# Altium PCB RK_NVR_DEMO1_RK3588_LP4XD200P232SD8_V21_20211228_final_lint.PcbDoc (part 24 of 29) (continued)
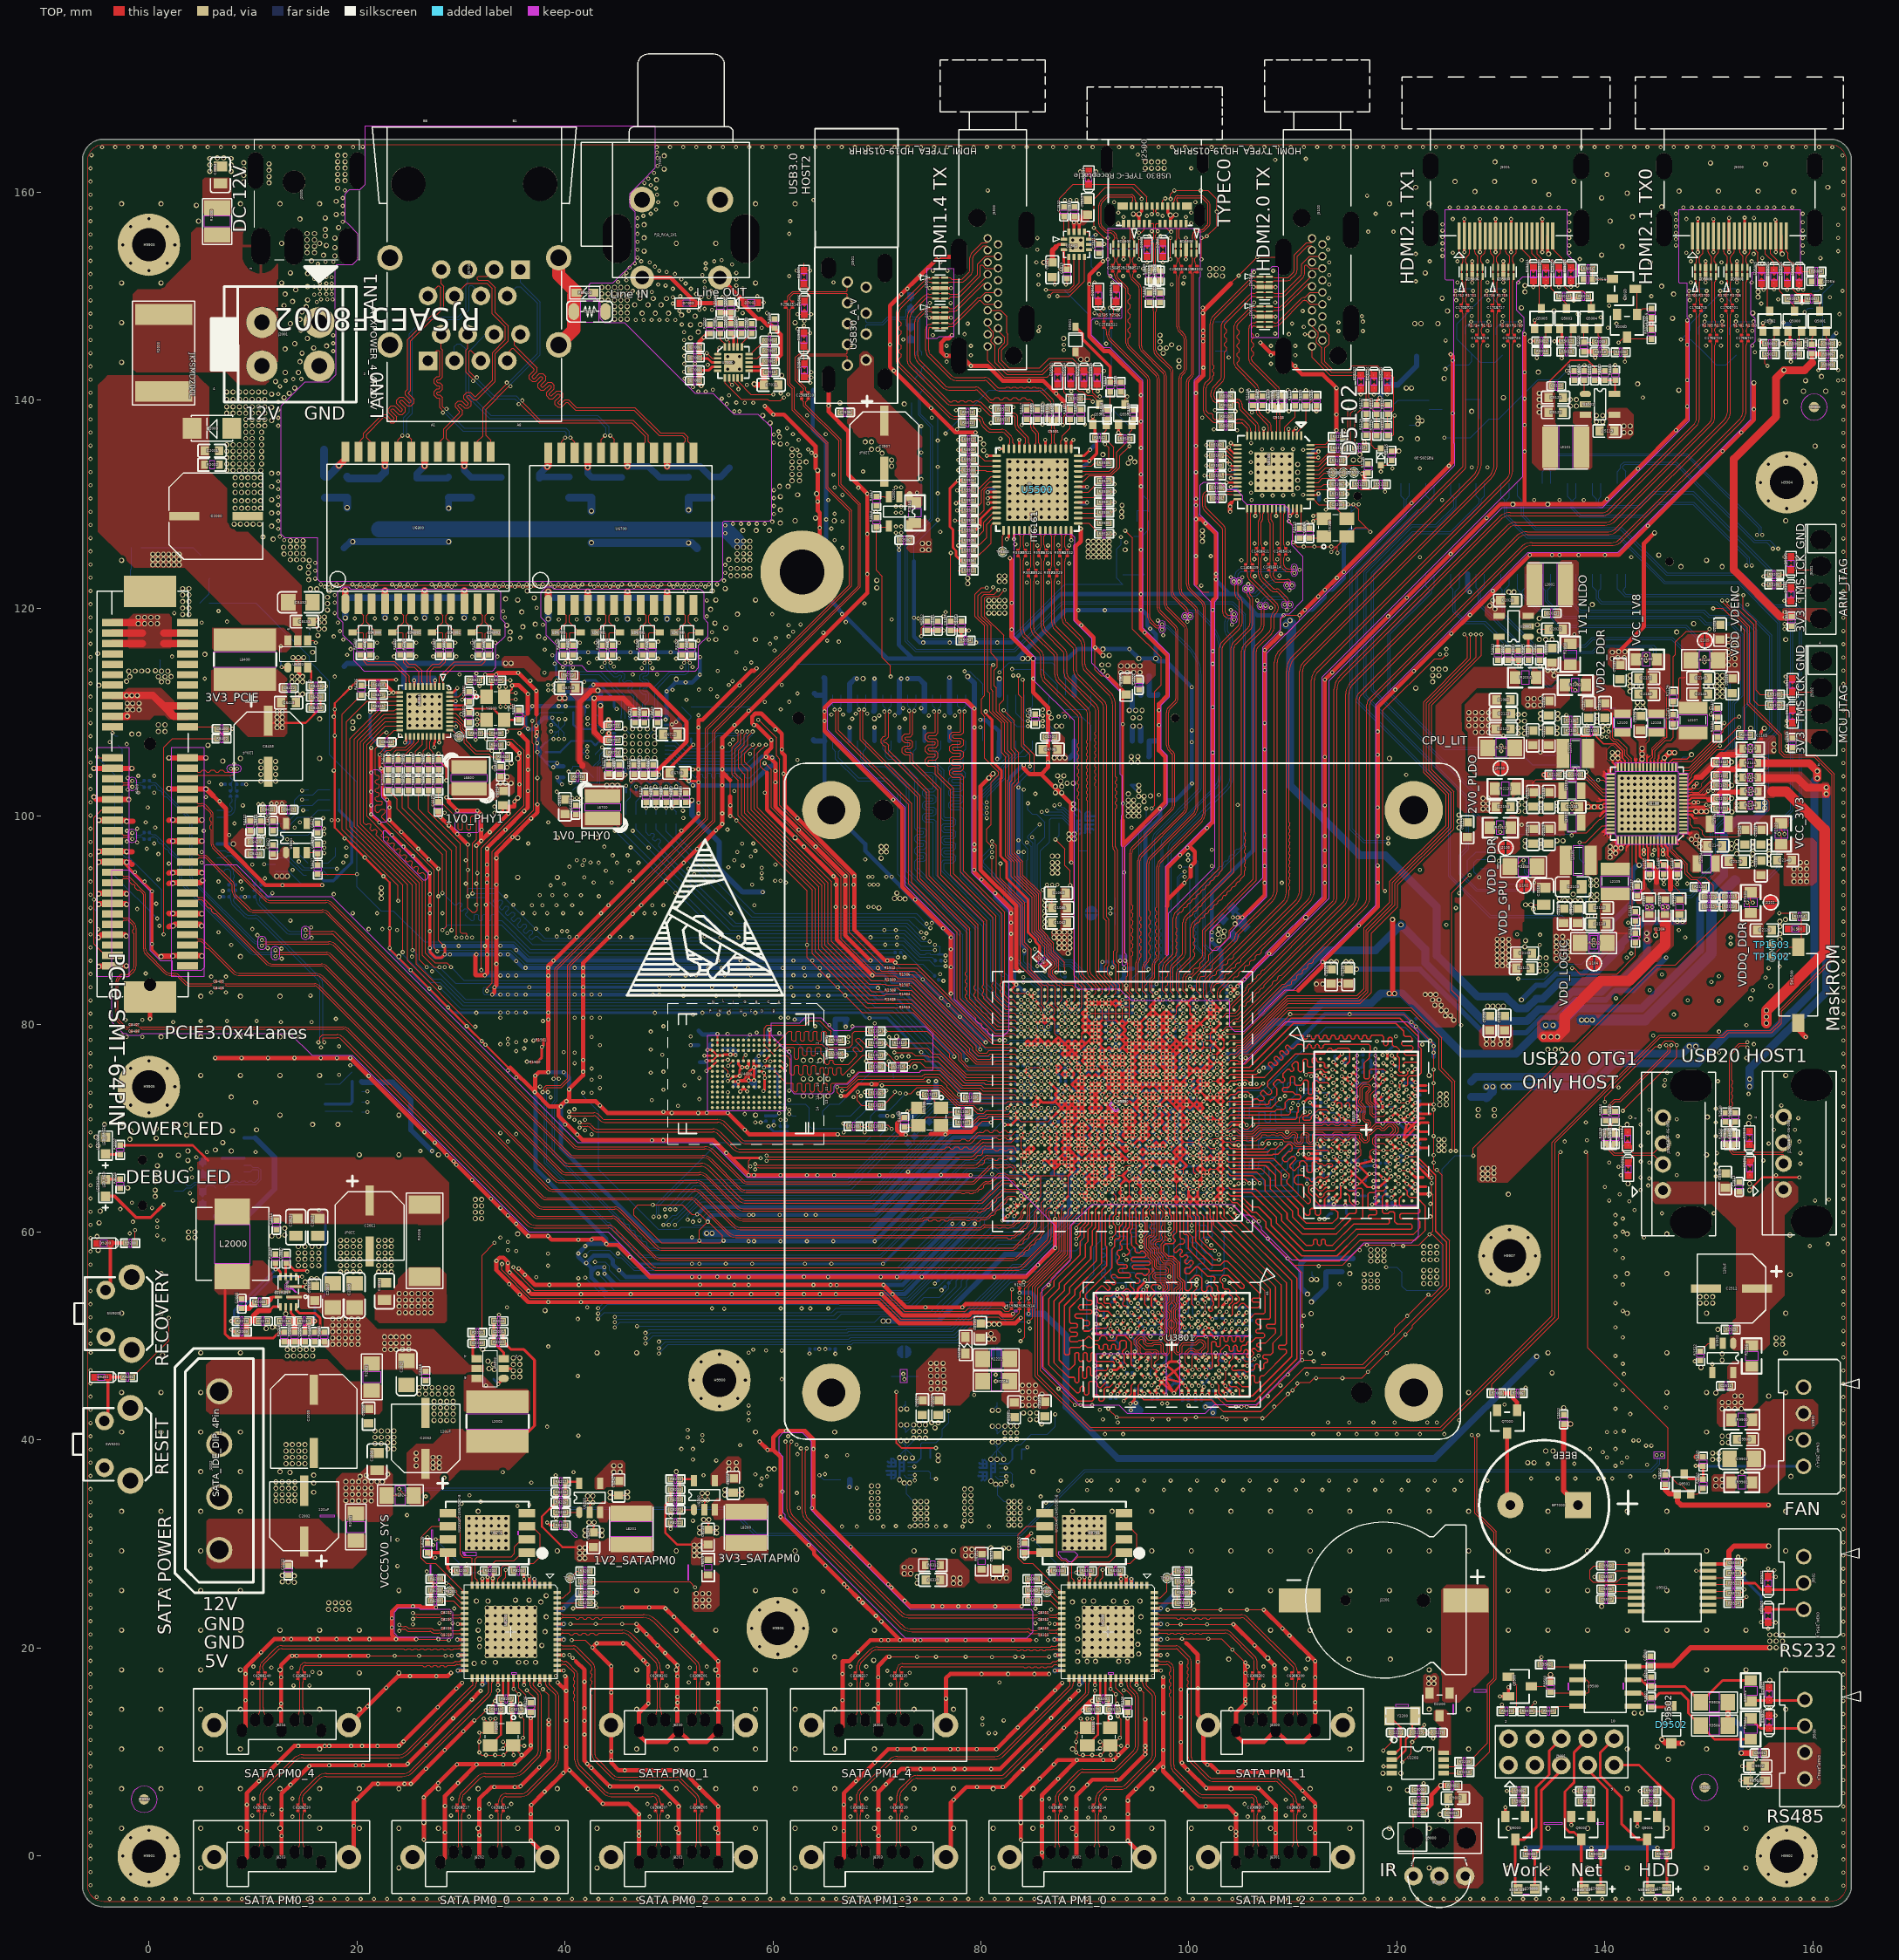
[diagram p0: TOP view]
## Nets (pads, with @x,y where several pads share a name; then routed paths per layer and width w, separated by ;. In a path a pad name is that pad's centre, name@x,y a point inside that pad or via, vN(x,y) a via of type N, cw(c..) or ccw(c..) an arc to the next point about the centre after c; other vN are vias at no path point) (continued)
  L6-S2 w0.254: 82.795,69.533 83.659,70.396 84.802,70.396 84.827,70.422 86.025,70.422 v4(86.466,69.981) ; v4(87.766,71.281) 87.977,71.492 87.977,71.565 ; 87.774,59.119 87.774,60.186 88.383,60.795 88.383,60.998 89.044,61.659 89.298,61.659 89.552,61.913 89.552,62.294 ; v4(100.116,74.531) 100.116,75.525 100.116,75.652 100.116,75.88 100.271,76.035 ; 102.506,77.661 102.521,77.661 103.232,78.372 104.131,78.372 104.69,78.931
  L6-S2 w0.305: v4(84.599,52.134) 85.64,53.175 85.64,54.776 87.774,56.909 87.774,59.119
  L6-S2 w0.406: v4(72.064,71.4) 72.61,70.854 74.566,70.854 75.48,69.939 77.309,69.939 77.715,69.533 82.795,69.533 ; v4(75.582,55.055) v4(76.217,54.42) 76.758,53.878 83.194,53.878 83.481,54.166 v4(83.71,54.166) ; v8(120.184,135.108) 122.463,135.108 124.248,136.894 129.531,136.894 134.967,131.458 135.577,131.458 136.339,130.696 136.339,130.086 139.183,127.242 v8(144.771,127.242)
  L6-S2 w0.508: v4(66.336,116.777) 66.336,116.574 66.743,116.167 86.25,116.167 88.891,113.526 91.33,113.526 v8(91.736,113.932) ; 104.69,78.931 108.094,82.334 116.222,82.334 117.136,81.42 121.833,81.42 124.858,78.395 124.858,76.333 127.216,73.974 v8(128.588,73.974) v8(129.227,73.974) 129.865,74.613 131.259,74.613 133.955,71.917 140.754,71.917 141.114,72.276 142.435,72.276 144.873,69.838 151.172,69.838 156.862,75.527 ; v4(134.129,103.977) 134.813,103.977 135.627,103.162 138.244,103.162 139.361,104.28 139.361,106.185 140.098,106.922 141.622,106.922 142.028,107.328 142.028,110.986 141.241,111.773 v8(141.241,115.253) ; v8(141.876,115.253) 146.734,110.394 v4(150.189,110.394) ; v8(144.771,127.242) 144.771,144.107 143.755,145.123 143.755,146.647 v4(144.467,147.358) 145.432,146.393 145.432,145.885 147.616,143.701 154.423,143.701 156.151,145.428 156.151,146.85 156.76,147.46 v4(157.167,147.46) 161.231,147.46 v4(162.247,146.444)
  BOTTOM w0.102: J9800.40@127.608,123.273 127.608,121.952 127.83,121.73 127.83,120.35 132.52,115.659 138.904,115.659 139.488,116.243 144.492,116.243 144.67,116.066 144.67,115.558 144.365,115.253 144.162,115.253 v4(143.959,115.456)
  BOTTOM w0.203: v4(75.582,55.055) R1915.1@75.913,55.386 ; v4(76.217,54.42) R1916.1@76.548,54.751
  BOTTOM w0.254: C1107.1@85.755,70.486 85.772,70.469 85.978,70.469 v4(86.466,69.981) ; C1300.1@87.01,72.735 87.505,73.231 v4(87.766,73.231) v4(88.416,73.881) 88.151,74.145 C1506.1@88.151,74.511 ; v4(87.766,71.281) 88.076,71.591 C1112.1@88.079,71.591 ; C1902.1@88.212,76.884 88.212,76.714 88.416,76.511 v4(88.416,76.481) ; v4(91.666,65.431) C1505.1@92.064,65.431 C1903.1@92.064,66.081 v4(91.666,66.081) ; v4(100.116,74.531) 100.122,74.524 C1301.1@100.516,74.524
  BOTTOM w0.305: R4000.1@59.485,77.458 59.141,77.458 v4(58.624,76.94) R4002.1@58.125,76.442 58.538,76.442 v4(59.136,75.843) 59.612,75.843 C4002.1@59.758,75.698 60.069,75.698 60.469,75.299 R4300.1@60.469,73.158
  BOTTOM w0.406: v4(52.087,77.977) C4004.1@52.849,77.977 ; C4001.1@52.976,76.333 53.479,76.333 v4(53.611,76.465) ; v4(53.712,77.514) 53.992,77.793 C4000.1@53.992,78.1 ; R4001.1@55.109,77.476 55.225,77.592 55.871,77.592 ; v4(55.922,77.077) 55.922,77.541 55.871,77.592 ; v4(56.405,77.026) 56.405,77.465 C4003.1@56.278,77.592 55.871,77.592 ; v4(62.094,80.455) R4301.1@63.067,80.455 ; v4(83.71,54.166) 84.853,54.166 85.234,53.785 85.234,52.769 v4(84.599,52.134) ; v4(157.167,147.46) 157.312,147.315 R5000.1@157.776,147.315 ; R5005.1@161.884,145.428 161.884,146.081 v4(162.247,146.444)
  BOTTOM w0.508: v8(52.214,101.537) 52.214,100.114 54.855,97.473 54.855,94.933 57.091,92.698 v4(59.021,92.698) ; U4300.8@66.057,78.794 65.999,78.852 C4301.1@65.999,80.455 C4300.1@67.131,80.455 67.004,80.328 v4(67.004,79.751) ; v4(72.064,71.4) 72.407,71.057 73.347,71.057 75.683,73.394 v4(75.683,74.511) ; U4700.61@88.97,111.636 88.97,113.401
  BOTTOM w0.635: v4(84.599,52.134) 86.072,52.134 88.18,50.026 88.18,43.218 93.159,38.24 123.639,38.24 v8(133.443,48.044)
  BOTTOM w0.762: R3803.2@127.141,73.009 128.482,73.009 C3843.1@128.617,72.874 129.227,73.484 v8(129.227,73.974) v8(128.588,73.974)
  other v3: 84.599,52.134 83.71,54.166 76.217,54.42 75.582,55.055 91.666,65.431 91.666,66.081 86.466,69.981 87.766,71.281 72.064,71.4 87.766,73.231 88.416,73.881 75.683,74.511 100.116,74.531 59.136,75.843 53.611,76.465 88.416,76.481 58.624,76.94 56.405,77.026 55.922,77.077 53.712,77.514 37.787,77.813 52.087,77.977 67.004,79.751 69.791,80.074 62.094,80.455 59.021,92.698 134.129,103.977 150.189,110.394 143.959,115.456 66.336,116.777 53.341,146.028 162.247,146.444 144.467,147.358 157.167,147.46
  other v7: 134.916,46.47 133.443,48.044 128.588,73.974 129.227,73.974 52.214,101.537 123.436,112.916 123.436,113.526 124.045,113.526 91.736,113.932 123.436,114.135 124.045,114.135 124.655,114.135 91.635,114.542 92.244,114.542 140.707,115.151 141.241,115.253 141.876,115.253 140.707,115.761 141.317,115.812 141.927,115.812 144.771,127.242 120.184,135.108
  other v8: 123.436,112.916 123.436,113.526 124.045,113.526 123.436,114.135 124.045,114.135 124.655,114.135 91.635,114.542 92.244,114.542 140.707,115.151 140.707,115.761 141.927,115.812
  other v12: 84.599,52.134 83.71,54.166 76.217,54.42 75.582,55.055 91.666,65.431 91.666,66.081 86.466,69.981 87.766,71.281 72.064,71.4 87.766,73.231 88.416,73.881 100.116,74.531 134.129,103.977 150.189,110.394 143.959,115.456 66.336,116.777 162.247,146.444 144.467,147.358 157.167,147.46
  other v17: 87.766,73.231 88.416,73.881 75.683,74.511 88.416,76.481 66.336,116.777 53.341,146.028
  other v19: 123.436,112.916 123.436,113.526 124.045,113.526 91.736,113.932 123.436,114.135 124.045,114.135 124.655,114.135 91.635,114.542 92.244,114.542
  other v20: 134.916,46.47
  other v22: 134.916,46.47 133.443,48.044 128.588,73.974 129.227,73.974 123.436,112.916 123.436,113.526 124.045,113.526 91.736,113.932 123.436,114.135 124.045,114.135 124.655,114.135 140.707,115.151 141.241,115.253 141.876,115.253 140.707,115.761 141.317,115.812 141.927,115.812 144.771,127.242 120.184,135.108
  other v26: 53.611,76.465 58.624,76.94 56.405,77.026 55.922,77.077 53.712,77.514 37.787,77.813 52.087,77.977 67.004,79.751 62.094,80.455 59.021,92.698
  other v33: 69.791,80.074
VCC_1V8_P: C2150.1 C2151.1 J9800.38 L2108.1 R2130.2 U2100.25 | length 34.8
  TOP w0.102: v4(143.959,114.948) 144.086,115.075 R2130.2@144.984,115.075 ; 144.388,105.296 144.388,105.472 144.594,105.677 144.594,106.345 145.741,107.493 145.838,107.493 145.94,107.595 145.94,111.838 C2151.1@144.633,113.145
  TOP w0.203: U2100.25@144.388,104.703 144.388,105.296
  BOTTOM w0.102: J9800.38@128.408,123.273 128.408,122.155 128.041,121.789 128.041,120.426 132.605,115.862 138.777,115.862 139.361,116.447 144.67,116.447 144.924,116.193 144.924,115.507 144.467,115.05 144.06,115.05 v4(143.959,114.948)
  other v3: 143.959,114.948
VCC_2V0_PLDO: C2154.1 C2156.1 R2014.1 R2131.2 U2100.59 | length 1.4
  TOP w0.152: U2100.59@143.688,97.703 143.688,96.829 143.745,96.772 v4(143.745,96.736)
  TOP w0.406: v4(143.745,96.336) v4(143.745,96.736)
  other v3: 143.745,96.336 143.745,96.736
  other v7: 128.287,100.699 128.795,100.699 128.287,101.207 128.795,101.207 128.287,101.715 128.795,101.715
  other v8: 128.287,100.699 128.795,100.699 128.287,101.207 128.795,101.207 128.287,101.715 128.795,101.715
  other v12: 143.745,96.336 143.745,96.736
  other v22: 128.287,100.699 128.795,100.699 128.287,101.207 128.795,101.207 128.287,101.715 128.795,101.715
VCC_2V0_PLDO_P: C2152.1 C2153.1 L2109.2 R2131.1 U2100.41 | length 9.1
  TOP w0.102: C2152.1@133.087,102.313 133.087,103.213 133.367,103.493 138.25,103.493 139.84,101.903 U2100.41@140.538,101.903
VCC_3V3: BP7000.1 C1113.1 C1302.1 C1421.1 C1901.1 C1905.1 C2140.1 C2519.1 C4005.1 C4006.1 C4007.1 C4706.1 C4707.1 C5107.1 C5108.1 C5503.1 C5504.1 C7012.1 C9105.1 C9106.1 C9500.1 C9505.1 D2200.2 D9502.1 J9101.4 J9102.4 J9800.11 Q5000.1 Q5003.1 Q5100.2 Q5500.2 Q9501.1 R1111.1 R1112.1 R1115.1 R1116.1 R1117.1 R1118.1 R2127.1 R2204.1 R2500.2 R5002.1 R5006.1 R5009.1 R5012.1 R5018.1 R5021.1 R5025.1 R5026.1 R5126.1 R5545.1 R6733.1 R6830.1 R6833.1 R8211.1 R9000.1 R9002.1 R9003.1 R9004.1 R9005.1 R9102.1 R9500.1 R9904.1 U1000.AC26 U1000.AJ10 U1000.P28 U1000.W26 U1000.Y7 U2503.3 U2503.4 U4000.E6 U4000.F5 U4000.J10 U4000.K9 U4700.62 U9500.8 U9501.16 | length 480.1
  TOP w0.102: v4(156.76,98.286) 156.963,98.082 R2127.1@156.963,97.286
  TOP w0.254: U4000.K9@56.169,74.469 v4(56.668,74.469) ; U4000.J10@56.668,73.969 v4(56.668,74.469) ; U4000.F5@58.169,76.469 58.169,75.984 58.183,75.969 v4(58.183,75.857) ; U4000.E6@58.668,75.969 58.295,75.969 v4(58.183,75.857) ; U1000.P28@86.791,70.306 v4(87.116,70.631) ; v4(87.766,73.881) U1000.W26@88.091,73.556 ; v4(87.766,76.481) U1000.AC26@88.091,76.156 ; U2503.3@87.986,154.478 87.986,152.879 C2519.1@88.282,152.584 88.446,152.748 U2503.4@88.446,153.768 ; U1000.AJ10@98.491,80.056 v4(98.816,80.381) ; v4(100.116,73.881) U1000.Y7@100.44,74.206 ; R9003.1@132.352,0.171 v4(132.352,0.799) ; v8(132.833,145.663) R5021.1@133.445,145.663 ; v4(135.145,145.663) 135.158,145.676 R5012.1@135.849,145.676 135.849,146.706 Q5003.1@135.649,146.905 ; R9005.1@138.702,0.171 v4(138.702,0.799) ; R9004.1@145.052,0.171 v4(145.052,0.799) ; v4(154.881,145.784) 155.255,145.409 R5009.1@155.391,145.409 ; v8(157.065,145.422) R5002.1@157.795,145.422 157.795,146.452 Q5000.1@157.595,146.651 ; v4(56.668,74.469) 56.683,74.469 v3@56.801,74.587 ; v3@56.801,74.587 57.141,74.587 57.395,74.842 57.395,75.095 ; v3@56.801,74.587 56.877,74.511 57.599,74.511 v4(57.675,74.587) ; 57.395,75.095 58.183,75.095 ; 57.395,75.095 57.675,75.375 ; v4(57.675,74.587) v4(58.183,74.587) 58.183,75.095 ; v4(57.675,74.587) 57.675,75.375 ; 57.675,75.375 58.157,75.857 v4(58.183,75.857) ; 58.183,75.095 v4(58.183,75.857)
  TOP w0.305: U9500.8@142.708,18.223 142.705,18.227 144.306,18.227 C9500.1@144.392,18.312 ; U9501.16@149.908,28.085 151.798,28.085 C9505.1@151.905,28.192
  TOP w0.406: v4(87.672,152.584) C2519.1@88.282,152.584 ; R9000.1@122.562,4.214 123.334,4.986 123.334,5.906 v8(124.223,6.795) ; R5026.1@137.964,144.673 139.029,144.673 R5018.1@139.068,144.634 v4(139.068,144.093) ; 159.91,143.599 R5025.1@159.91,144.47 159.968,144.412 R5006.1@160.984,144.412
  TOP w0.508: v8(124.223,6.795) 124.233,6.785 R9002.1@124.89,6.785 ; R9500.1@134.772,16.69 v8(134.772,17.454) ; v8(136.701,41.549) C7012.1@136.034,41.549 136.034,35.118 BP7000.1@137.404,33.748 ; C9500.1@144.392,18.312 146.513,18.312 148.254,20.054 v8(155.846,20.054) ; v8(145.483,11.214) 145.86,10.837 D9502.1@146.397,10.837 v8(147.442,10.837) ; R9904.1@145.787,35.758 145.787,35.233 146.194,34.826 Q9501.1@146.966,34.826 146.966,34.115 147.326,33.755 v4(155.73,33.755) ; C9505.1@151.905,28.192 151.905,29.299 152.413,29.807 v8(155.744,29.807)
  TOP w0.762: C9105.1@157.94,119.171 156.906,119.171 152.391,123.686 152.391,134.354 156.455,138.418 156.455,142.126 v8(157.217,142.888) 159.199,142.888 159.91,143.599
  L4-S1 w0.089: 82.09,76.14 84.366,76.14 84.381,76.155 84.65,76.155 84.665,76.14 85.666,76.14 85.681,76.155 85.95,76.155 85.965,76.14 86.316,76.14 86.331,76.155 86.6,76.155 86.615,76.14 86.966,76.14 86.981,76.155 87.25,76.155 87.265,76.14 87.425,76.14 v4(87.766,76.481) 87.684,76.481 87.374,76.79 87.265,76.79 87.25,76.805 86.981,76.805 86.966,76.79 86.615,76.79 86.6,76.805 86.331,76.805 86.316,76.79 85.965,76.79 85.95,76.805 85.681,76.805 85.666,76.79 85.315,76.79 85.3,76.805 85.031,76.805 85.016,76.79 84.665,76.79 84.65,76.805 84.381,76.805 84.366,76.79 84.015,76.79 84,76.805 83.731,76.805 83.716,76.79 83.347,76.79 83.303,76.746 ; 82.09,73.571 82.09,73.978 82.09,74.232 83.706,74.232 83.731,74.206 84,74.206 84.026,74.232 84.356,74.232 84.381,74.206 84.65,74.206 84.676,74.232 85.006,74.232 85.031,74.206 85.3,74.206 85.315,74.221 85.666,74.221 85.681,74.206 85.95,74.206 85.976,74.232 86.306,74.232 86.332,74.206 86.6,74.206 86.626,74.232 86.631,74.232 86.982,73.881 v4(87.766,73.881) 87.456,73.571 86.615,73.571 86.6,73.556 86.331,73.556 86.316,73.571 85.965,73.571 85.95,73.556 85.681,73.556 85.666,73.571 85.315,73.571 85.3,73.556 85.031,73.556 85.016,73.571 84.665,73.571 84.65,73.556 84.381,73.556 84.366,73.571 84.015,73.571 84,73.556 83.731,73.556 83.716,73.571 82.09,73.571
  L4-S1 w0.102: 80.408,76.137 80.411,76.14 ; 82.059,73.571 82.09,73.571 ; 82.09,76.14 80.411,76.14 ; 82.09,76.772 80.255,76.772 80.154,76.67 80.154,76.518 80.154,76.242 80.255,76.14 80.411,76.14
  L4-S1 w0.406: v4(66.002,48.298) 67.047,48.298 69.994,45.352 69.994,43.726 66.539,40.272 66.539,36.31 v4(67.352,35.497) 67.352,31.026 78.427,19.952 79.341,19.952 81.373,17.92 81.373,17.107 v4(81.779,16.701) ; v4(87.672,152.584) 87.672,150.61 87.96,150.322 v8(87.96,145.936)
  L4-S1 w0.508: v8(71.899,78.804) 77.487,78.804 79.773,76.518 80.154,76.518 ; v8(73.651,75.883) 76.242,75.883 77.207,74.918 81.15,74.918 82.09,73.978 ; v8(123.562,16.59) 124.223,15.929 v8(124.223,6.795) ; v4(145.052,0.799) v8(145.052,10.527) ; v8(157.065,145.422) 157.217,145.269 v8(157.217,142.888)
  L6-S2 w0.089: 97.731,79.286 97.731,78.986 97.96,78.756 98.521,78.756 98.543,78.778 ; 98.442,79.388 98.442,79.548 98.49,79.597 98.49,79.865 98.442,79.914 98.442,79.998 ; 99.153,81.42 99.156,81.423 99.156,81.531 99.141,81.546 99.141,81.815 99.255,81.929 99.255,82.083 99.141,82.196 99.141,82.465 99.255,82.578 99.255,82.667 99.43,82.842 99.458,82.842 ; 99.932,81.09 99.932,81.039 99.599,80.705 99.14,80.705 v4(98.816,80.381) 98.816,80.84 99.331,81.355 99.794,81.355 99.932,81.217
  L6-S2 w0.203: v4(87.116,70.631) 87.116,71.288 87.52,71.692 87.52,72.2 87.384,72.336 87.384,73.499 v4(87.766,73.881)
  L6-S2 w0.254: 99.932,81.09 99.932,81.217
  L6-S2 w0.406: v4(63.521,48.324) 63.953,47.892 65.595,47.892 v4(66.002,48.298) ; v4(87.672,152.584) 88.644,153.556 89.907,153.556 91.025,154.674 v4(91.025,155.893) ; v8(87.96,145.936) 93.159,145.936 97.223,141.872 104.131,141.872 v8(105.046,140.958) ; 100.677,82.944 103.014,85.281 v8(116.12,85.281)
  L6-S2 w0.508: v8(120.895,141.161) v8(121.403,141.161) 129.938,141.161 132.808,144.031 132.808,145.586 132.833,145.612 v8(132.833,145.663) v4(135.145,145.663) 137.499,145.663 v4(139.068,144.093) ; v8(136.701,41.549) 145.337,41.549 149.14,45.352 154.627,45.352 v8(155.744,44.234) ; v4(145.889,86.398) 151.985,86.398 154.728,83.655 v8(155.947,83.655)
  BOTTOM w0.102: C5107.1@121.2,137.594 121.9,137.594 v8(122.013,137.706) ; J9800.11@138.808,131.973 138.808,130.868 139.183,130.493 139.183,129.985 139.488,129.68 143.451,129.68 144.771,131.001 148.429,131.001 157.878,121.552 157.878,120.655 158.691,119.842 158.691,100.622 156.76,98.692 v4(156.76,98.286)
  BOTTOM w0.254: R1111.1@59.326,71.18 R1112.1@60.088,71.18 60.338,71.18 v4(60.596,71.438) ; v4(59.58,70.168) 60.084,69.664 R1117.1@60.723,69.664 R1118.1@61.358,69.664 ; v4(63.521,48.324) 63.521,48.731 R1115.1@63.546,48.756 ; R1116.1@65.977,48.756 66.002,48.731 v4(66.002,48.298) ; v4(87.116,70.631) C1113.1@87.516,70.631 ; C1901.1@87.163,73.826 87.711,73.826 v4(87.766,73.881) ; C1905.1@87.588,76.884 87.588,76.658 v4(87.766,76.481) ; C1421.1@98.628,80.774 98.628,80.569 v4(98.816,80.381) ; v4(100.116,73.881) C1302.1@100.514,73.88 ; v8(132.833,145.663) v4(135.145,145.663) ; v4(154.881,145.784) 155.255,145.409 157.052,145.409 v8(157.065,145.422)
  BOTTOM w0.406: C4005.1@56.194,74.029 56.228,74.029 v4(56.668,74.469) ; v4(57.675,74.587) C4007.1@58.284,73.978 ; v4(58.183,74.587) 58.284,74.486 C4007.1@58.284,73.978 ; v4(58.183,75.857) 58.252,75.788 C4006.1@58.252,75.248 ; C4007.1@58.284,73.916 C4007.1@58.284,73.978 ; R2500.2@90.619,154.92 90.619,155.486 v4(91.025,155.893)
  BOTTOM w0.508: 18.762,114.389 19.067,114.694 24.401,114.694 ; R9102.1@20.454,74.473 20.517,74.41 23.461,74.41 25.188,72.682 25.188,69.838 v4(27.22,67.806) ; R6833.1@24.5,112.401 24.5,114.186 ; v8(34.307,114.694) 25.008,114.694 ; v4(67.352,35.497) 67.396,35.54 R2204.1@67.396,36.208 ; v8(88.079,105.601) 88.54,105.601 88.97,106.031 ; U4700.62@88.97,107.236 88.97,106.031 ; 89.149,105.241 89.149,105.851 88.97,106.031 ; v8(116.12,85.281) 122.216,85.281 128.312,79.185 132.432,79.185 133.879,80.633 135.399,80.633 137.101,82.334 140.098,82.334 141.012,83.249 142.739,83.249 v4(145.889,86.398) ; v4(132.352,0.799) v4(138.702,0.799) v4(145.052,0.799) ; 24.401,114.694 25.008,114.694 ; 24.401,114.694 24.5,114.594 24.5,114.186 ; 24.5,114.186 25.008,114.694
  other v3: 132.352,0.799 138.702,0.799 145.052,0.799 81.779,16.701 155.73,33.755 67.352,35.497 66.002,48.298 63.521,48.324 27.22,67.806 59.58,70.168 87.116,70.631 60.596,71.438 87.766,73.881 100.116,73.881 56.668,74.469 57.675,74.587 58.183,74.587 58.183,75.857 87.766,76.481 98.816,80.381 145.889,86.398 156.76,98.286 157.471,107.43 157.471,107.938 157.294,119.114 157.294,119.622 139.068,144.093 135.145,145.663 154.881,145.784 87.672,152.584 91.025,155.893
  other v4: 157.471,107.43 157.471,107.938 157.294,119.114 157.294,119.622
  other v7: 124.223,6.795 145.052,10.527 147.442,10.837 145.483,11.214 123.054,16.59 123.562,16.59 123.054,17.098 123.562,17.098 134.772,17.454 155.846,20.054 156.455,20.054 157.065,20.054 155.846,20.663 156.455,20.663 157.065,20.663 155.846,21.273 156.455,21.273 157.065,21.273 52.62,24.016 53.23,24.016 53.839,24.016 52.62,24.626 53.23,24.626 53.839,24.626 52.62,25.235 53.23,25.235 53.839,25.235 155.744,29.807 136.701,41.549 155.744,44.234 31.386,61.303 31.995,61.303 31.386,61.913 31.995,61.913 31.386,62.522 31.995,62.522 31.386,63.132 31.995,63.132 73.651,75.883 71.899,78.804 155.947,83.655 116.12,85.281 158.183,93.714 158.792,93.714 159.402,93.714 158.183,94.323 158.792,94.323 159.402,94.323 158.183,94.933 158.792,94.933 159.402,94.933 158.792,95.542 159.402,95.542 70.4,95.949 70.4,96.558 70.908,96.558 70.4,97.066 70.908,97.066 87.063,105.601 87.571,105.601 88.079,105.601 19.6,108.446 19.6,109.055 20.21,109.563 34.307,114.694 34.815,114.694 101.287,126.429 101.287,126.937 101.287,127.445 93.54,128.766 93.54,129.274 93.565,129.883 122.013,137.706 122.419,138.011 122.013,138.316 105.046,140.958 120.895,141.161 121.403,141.161 157.217,142.888 157.065,145.422 132.833,145.663 87.96,145.936
  other v8: 123.054,16.59 123.054,17.098 123.562,17.098 156.455,20.054 157.065,20.054 155.846,20.663 156.455,20.663 157.065,20.663 155.846,21.273 156.455,21.273 157.065,21.273 52.62,24.016 53.23,24.016 53.839,24.016 52.62,24.626 53.23,24.626 53.839,24.626 52.62,25.235 53.23,25.235 53.839,25.235 31.386,61.303 31.995,61.303 31.386,61.913 31.995,61.913 31.386,62.522 31.995,62.522 31.386,63.132 31.995,63.132 158.183,93.714 158.792,93.714 159.402,93.714 158.183,94.323 158.792,94.323 159.402,94.323 158.183,94.933 158.792,94.933 159.402,94.933 158.792,95.542 159.402,95.542 70.4,95.949 70.4,96.558 70.908,96.558 70.4,97.066 70.908,97.066 87.063,105.601 87.571,105.601 19.6,108.446 19.6,109.055 20.21,109.563 34.815,114.694 101.287,126.429 101.287,126.937 101.287,127.445 93.54,128.766 93.54,129.274 93.565,129.883 122.419,138.011 122.013,138.316
  other v12: 81.779,16.701 66.002,48.298 63.521,48.324 87.116,70.631 87.766,73.881 100.116,73.881 98.816,80.381 145.889,86.398 139.068,144.093 135.145,145.663 87.672,152.584 91.025,155.893
  other v17: 145.052,0.799 81.779,16.701 155.73,33.755 67.352,35.497 66.002,48.298 27.22,67.806 87.766,73.881 87.766,76.481 157.471,107.43 157.471,107.938 157.294,119.114 157.294,119.622 87.672,152.584
  other v20: 124.223,6.795 145.052,10.527 123.054,16.59 123.562,16.59 123.054,17.098 123.562,17.098 155.846,20.054 156.455,20.054 157.065,20.054 155.846,20.663 156.455,20.663 157.065,20.663 155.846,21.273 156.455,21.273 157.065,21.273 52.62,24.016 53.23,24.016 53.839,24.016 52.62,24.626 53.23,24.626 53.839,24.626 52.62,25.235 53.23,25.235 53.839,25.235 155.744,29.807 155.744,44.234 155.947,83.655 158.183,93.714 158.792,93.714 159.402,93.714 158.183,94.323 158.792,94.323 159.402,94.323 158.183,94.933 158.792,94.933 159.402,94.933 158.792,95.542 159.402,95.542 87.063,105.601 87.571,105.601 88.079,105.601 19.6,108.446 19.6,109.055 20.21,109.563 101.287,126.429 101.287,126.937 101.287,127.445 122.013,137.706 122.419,138.011 122.013,138.316 105.046,140.958 120.895,141.161 121.403,141.161 157.217,142.888 157.065,145.422 87.96,145.936
  other v22: 145.052,10.527 147.442,10.837 145.483,11.214 123.054,16.59 123.562,16.59 123.054,17.098 123.562,17.098 134.772,17.454 155.846,20.054 156.455,20.054 157.065,20.054 155.846,20.663 156.455,20.663 157.065,20.663 155.846,21.273 156.455,21.273 157.065,21.273 52.62,24.016 53.23,24.016 53.839,24.016 52.62,24.626 53.23,24.626 53.839,24.626 52.62,25.235 53.23,25.235 53.839,25.235 136.701,41.549 155.744,44.234 155.947,83.655 116.12,85.281 101.287,126.429 101.287,126.937 101.287,127.445 93.54,128.766 93.54,129.274 93.565,129.883 105.046,140.958 120.895,141.161 121.403,141.161 132.833,145.663 87.96,145.936
  other v25: 31.386,61.303 31.995,61.303 31.386,61.913 31.995,61.913 31.386,62.522 31.995,62.522 31.386,63.132 31.995,63.132 73.651,75.883 71.899,78.804 70.4,95.949 70.4,96.558 70.908,96.558 70.4,97.066 70.908,97.066
  other v26: 59.58,70.168 60.596,71.438 56.668,74.469 57.675,74.587 58.183,74.587 58.183,75.857
VCC_3V3_P: C2141.1 C2142.1 J9800.9 L2106.1 R2127.2 U2100.5 | length 58.2
  TOP w0.102: U2100.5@147.538,99.803 148.124,99.803 148.226,99.701 148.226,99.175 148.48,98.921 149.013,98.921 149.369,98.565 149.369,98.26 149.597,98.032 152.809,98.032 C2142.1@153.458,98.681 ; R2127.2@156.963,99.286 156.963,98.59 v4(157.268,98.286)
  BOTTOM w0.102: J9800.9@139.608,131.973 139.608,130.714 139.387,130.493 139.387,130.086 139.59,129.883 143.349,129.883 144.682,131.216 148.518,131.216 158.081,121.654 158.081,120.739 158.894,119.926 158.894,100.521 157.268,98.895 v4(157.268,98.286)
  other v3: 157.268,98.286
VCC_OVDD33: C5109.1 C5112.1 C5113.1 FB5100.1 FB5101.1 Q5100.3 R5121.1 R5136.2 R5138.2 U5100.20 U5100.23 U5100.53 | length 5.6
  TOP w0.203: v4(103.674,134.201) 103.674,134.099 v4(103.928,133.846) 104.093,133.68 U5100.20@104.688,133.68 ; v4(104.03,132.506) 104.055,132.481 U5100.23@104.688,132.481 ; U5100.53@111.688,134.481 v4(112.437,134.481)
  TOP w0.406: v4(112.259,138.926) R5136.2@112.259,139.466 ; R5121.1@116.875,131.915 116.875,132.684 v4(116.628,132.931) 116.686,132.989 R5138.2@117.238,132.989
  BOTTOM w0.406: v4(104.03,132.506) 104.045,132.491 C5112.1@104.582,132.491
  other v3: 104.03,132.506 116.628,132.931 103.928,133.846 103.674,134.201 112.437,134.481 112.259,138.926
  other v7: 115.815,134.252 116.425,134.252 116.425,134.76
  other v8: 115.815,134.252 116.425,134.252 116.425,134.76
  other v12: 104.03,132.506 116.628,132.931 103.928,133.846 103.674,134.201 112.437,134.481 112.259,138.926
  other v22: 115.815,134.252 116.425,134.252 116.425,134.76
VCC_OVDD33_6161: C5505.1 C5506.1 C5507.1 C5510.1 C5511.1 FB5500.1 Q5500.3 Q5501.1 Q5502.1 R5504.2 R5509.2 R5542.1 R5547.1 R5556.2 U5500.19 U5500.27 U5500.50 | length 20.9
  TOP w0.254: v4(77.817,135.217) R5509.2@78.383,135.217 ; R5556.2@78.383,124.562 78.071,124.562 77.614,125.019 77.614,125.514 77.309,125.819 77.309,127.546 77.004,127.851 77.004,131.496 v4(77.792,132.283) R5504.2@78.383,132.283 ; v4(80.663,131.159) 80.665,131.157 U5500.50@81.512,131.157 ; U5500.19@89.362,130.157 v4(90.212,130.157) ; U5500.27@89.362,134.157 v4(90.415,134.157)
  TOP w0.305: v4(90.415,134.157) 91.127,134.868 91.127,136.211 R5542.1@90.952,136.386 90.952,137.471 Q5501.1@90.752,137.671 v4(90.752,138.418) ; Q5502.1@93.22,137.671 v4(93.22,136.894) 93.42,136.694 R5547.1@93.42,136.284
  BOTTOM w0.406: v4(80.663,131.159) 80.911,131.407 C5510.1@81.228,131.407 ; C5506.1@89.646,130.086 90.141,130.086 v4(90.212,130.157) ; C5507.1@89.849,133.642 89.901,133.642 v4(90.415,134.157)
  other v3: 90.212,130.157 80.663,131.159 77.792,132.283 90.415,134.157 77.817,135.217 93.22,136.894 90.752,138.418
  other v7: 94.175,133.947 94.784,134.049 94.378,134.455
  other v8: 94.175,133.947 94.784,134.049 94.378,134.455
  other v12: 80.663,131.159 77.792,132.283 90.415,134.157 77.817,135.217 93.22,136.894 90.752,138.418
  other v22: 94.175,133.947 94.784,134.049 94.378,134.455
VCC_RTC: C2228.1 D2200.3 U2203.8
VCCA1V2_IMAGE: C1608.1 C1609.1 C2159.1 U1000.AH19 U2100.57 | length 77.2
  TOP w0.152: U2100.57@142.988,97.703 142.988,95.584 v8(143.291,95.281)
  TOP w0.254: v4(92.316,79.08) U1000.AH19@92.641,79.405
  L6-S2 w0.089: v4(92.316,79.08) 92.651,79.415 92.651,79.587 92.641,79.597 92.641,79.865 93.057,80.281 93.057,80.295 93.165,80.404
  L6-S2 w0.254: 93.165,80.404 93.167,80.406 93.167,80.678 94.008,81.518 94.008,82.603 93.579,83.031 93.579,84.987 93.3,85.266 93.3,85.626 93.387,85.713 v4(93.387,86.094) 93.387,86.906 97.248,90.767 117.339,90.767 119.168,88.938 120.286,88.938 122.013,87.211 125.315,87.211 129.277,83.249 130.141,83.249 131.055,82.334 v8(131.97,82.334)
  BOTTOM w0.254: C1608.1@91.923,79.286 92.11,79.286 v4(92.316,79.08) ; v4(93.387,86.094) 93.416,86.123 C1609.1@93.416,86.5
  BOTTOM w0.508: v8(131.97,82.334) 133.392,83.757 134.205,83.757 135.272,84.824 137.887,84.824 140.707,87.643 140.707,89.853 142.638,91.783 142.638,94.831 143.088,95.281 v8(143.291,95.281) C2159.1@144.263,95.281
  other v3: 92.316,79.08 93.387,86.094
  other v7: 131.97,82.334 143.291,95.281
  other v12: 92.316,79.08 93.387,86.094
  other v22: 131.97,82.334
VCCA1V8_IMAGE: C1602.1 C1603.1 C1610.1 C1611.1 C1713.1 C1714.1 C1715.1 C1729.1 C1730.1 C1731.1 J9800.30 R2133.2 U1000.AA26 U1000.AB26 U1000.AC6 U1000.AC7 U1000.AD6 U1000.AD7 U1000.AJ19 | length 263
  TOP w0.102: v4(144.06,91.25) 144.263,91.047 R2133.2@144.263,90.525
  TOP w0.254: v4(92.316,79.731) U1000.AJ19@92.641,80.056 ; U1000.AC7@100.44,76.156 v4(100.765,76.481) ; U1000.AD7@100.44,76.806 v4(100.765,77.131) ; U1000.AC6@101.091,76.156 v4(101.416,76.481) ; U1000.AD6@101.091,76.806 v4(101.416,77.131) ; 87.766,75.18 88.091,75.505 v4(88.415,75.18) U1000.AA26@88.091,74.856 87.766,75.18
  TOP w0.406: v8(81.17,104.077) v8(80.763,103.67) 79.951,102.858 79.951,94.831 83.405,91.377 83.405,85.382 v4(83.71,85.078)
  L6-S2 w0.089: 87.469,79.388 87.635,79.388 87.638,79.39 87.894,79.39 88.076,79.209 88.076,78.883 88.079,78.88 ; v4(88.415,75.18) v3@88.595,75.18 ; v3@88.595,75.18 88.875,75.18 89.391,75.696 89.391,76.615 88.98,77.026 88.79,77.026 88.79,76.664 88.741,76.615 88.741,75.326 v3@88.595,75.18 ; 86.148,80.201 86.148,81.928 86.453,82.233 86.776,81.91 86.776,80.015 86.758,79.998 86.715,80.041 86.308,80.041 86.148,80.201
  L6-S2 w0.254: v4(83.71,85.078) 83.71,84.976 83.738,84.948 84.268,84.948 86.453,82.763 86.453,82.233 ; 86.758,79.998 86.873,79.882 86.873,79.398 87.683,78.588 87.921,78.588 88.61,77.899 88.61,77.206 88.79,77.026 ; v4(92.316,79.731) 92.316,80.057 92.811,80.553 92.811,81.083 93.175,81.446 93.175,84.883 92.647,85.411 v4(92.647,85.459) 92.955,85.767 92.955,87.085 96.993,91.123 117.492,91.123 119.27,89.345 120.184,89.345 v8(120.387,89.548)
  L6-S2 w0.762: v8(80.763,103.67) v8(81.17,104.077) 86.453,104.077 87.063,104.686 89.095,104.686 89.882,103.899 99.077,103.899 99.966,104.788 123.639,104.788 126.788,101.638 126.788,100.114 128.515,98.387 128.515,97.879 129.531,96.863 130.243,96.863 131.005,96.101 131.005,95.085 131.583,94.507 132.661,94.507 132.884,94.73 139.387,94.73 140.911,93.206 140.911,92.494 144.035,89.37 v8(144.035,88.735) v8(144.035,88.126)
  BOTTOM w0.102: J9800.30@131.608,123.273 131.608,121.813 131.868,121.552 131.868,121.305 133.45,119.723 134.103,119.723 135.678,118.148 147.76,118.148 150.622,115.287 150.622,114.812 151.883,113.551 151.883,106.82 150.867,105.804 150.867,100.013 150.156,99.302 150.156,95.116 148.042,93.002 144.687,93.002 144.263,92.579 144.263,91.453 v4(144.06,91.25)
  BOTTOM w0.254: C1602.1@88.013,75.14 88.375,75.14 v4(88.415,75.18) 88.794,74.802 C1603.1@88.794,74.511 ; C1610.1@91.923,79.921 92.125,79.921 v4(92.316,79.731) ; v4(92.647,85.459) 92.698,85.509 C1611.1@92.698,85.992
  BOTTOM w0.762: 106.976,81.115 112.971,87.11 117.949,87.11 v8(120.387,89.548) 122.724,87.211 122.724,85.89 128.312,80.302 132.507,80.302 133.625,81.42 135.119,81.42 136.796,83.096 139.641,83.096 140.86,84.316 141.774,84.316 144.035,86.576 v8(144.035,88.126) v8(144.035,88.735)
  other v3: 88.415,75.18 100.765,76.481 101.416,76.481 100.765,77.131 101.416,77.131 92.316,79.731 83.71,85.078 92.647,85.459 144.06,91.25
  other v7: 144.035,88.126 144.035,88.735 120.387,89.548 80.763,103.67 81.17,104.077
  other v12: 88.415,75.18 92.316,79.731 83.71,85.078 92.647,85.459
  other v22: 144.035,88.126 144.035,88.735 120.387,89.548 80.763,103.67 81.17,104.077

## Text inside footprints (layer, text, board x,y; h text height)
J5500: PIN_NUMBER "14" at 81.138,148.055 h0.64 r180; PIN_NUMBER "23" at 83.888,147.368 h0.64 r180; PIN_NUMBER "22" at 83.888,156.368 h0.64 r180; PIN_NUMBER "21" at 77.388,153.768 h0.64 r180; PIN_NUMBER "20" at 77.388,144.268 h0.64 r180; PIN_NUMBER "17" at 80.138,146.323 h0.64 r180; PIN_NUMBER "11" at 80.138,149.788 h0.64 r180; PIN_NUMBER "8" at 81.392,151.52 h0.64 r180; PIN_NUMBER "5" at 80.392,153.253 h0.64 r180; PIN_NUMBER "2" at 81.392,154.985 h0.64 r180; PIN_NUMBER "15" at 80.138,147.478 h0.64 r180; PIN_NUMBER "7" at 80.392,152.098 h0.64 r180; PIN_NUMBER "3" at 80.392,154.408 h0.64 r180; PIN_NUMBER "19" at 80.138,145.168 h0.64 r180; PIN_NUMBER "10" at 81.138,150.365 h0.64 r180; PIN_NUMBER "18" at 81.138,145.745 h0.64 r180; PIN_NUMBER "9" at 80.392,150.943 h0.64 r180; PIN_NUMBER "4" at 81.392,153.83 h0.64 r180; PIN_NUMBER "6" at 81.392,152.675 h0.64 r180; PIN_NUMBER "13" at 80.138,148.633 h0.64 r180; PIN_NUMBER "16" at 81.138,146.9 h0.64 r180; PIN_NUMBER "1" at 80.392,155.563 h0.64 r180; PIN_NUMBER "12" at 81.138,149.21 h0.64 r180; Top Overlay "HDMI_TYPEA_HD19-01SRHR" at 79.646,164.249 h0.64 r180; ASSEMBLY_TOP "HDMI_TYPEA_HD19-01SRHR" at 78.833,154.978 h0.25 r90
J6700: PIN_NUMBER "B5" at 30.141,152.558 h0.64 r180; PIN_NUMBER "A1" at 26.331,143.788 h0.64 r180; PIN_NUMBER "A2" at 27.601,146.328 h0.64 r180; PIN_NUMBER "A7" at 33.951,143.788 h0.64 r180; PIN_NUMBER "A8" at 35.221,146.328 h0.64 r180; PIN_NUMBER "3" at 39.16,153.698 h0.64 r180; PIN_NUMBER "1" at 39.16,145.318 h0.64 r180; PIN_NUMBER "4" at 22.91,153.698 h0.64 r180; PIN_NUMBER "2" at 22.91,145.318 h0.64 r180; PIN_NUMBER "B2" at 33.951,150.018 h0.64 r180; PIN_NUMBER "B8" at 26.331,150.018 h0.64 r180; PIN_NUMBER "B4" at 31.411,150.018 h0.64 r180; PIN_NUMBER "B7" at 27.601,152.558 h0.64 r180; PIN_NUMBER "B1" at 35.221,152.558 h0.64 r180; PIN_NUMBER "A3" at 28.871,143.788 h0.64 r180; PIN_NUMBER "A4" at 30.141,146.328 h0.64 r180; PIN_NUMBER "B3" at 32.681,152.558 h0.64 r180; PIN_NUMBER "B6" at 28.871,150.018 h0.64 r180; PIN_NUMBER "A6" at 32.681,146.328 h0.64 r180; PIN_NUMBER "A5" at 31.411,143.788 h0.64 r180; Top Overlay "RJSAE5F8002" at 31.919,148.868 h2.18 r180; Top Overlay "A1" at 27.149,137.49 h0.25; Top Overlay "A8" at 35.404,137.49 h0.25; Top Overlay "B1" at 34.998,166.701 h0.25; Top Overlay "B8" at 26.362,166.701 h0.25; BODY_CENTER_TOP "zy" at 31.289,152.104 h0.64 r180; ASSEMBLY_TOP "RJSAE5F8002" at 25.722,143.661 h0.25
J7000: PIN_NUMBER "4" at 53.445,159.284 h0.25; PIN_NUMBER "1" at 45.945,159.284 h0.25; PIN_NUMBER "3" at 53.445,151.784 h0.25; PIN_NUMBER "2" at 45.945,151.784 h0.25; Top Overlay "PJ3_RCA_2X1" at 48.629,155.788 h0.25; ASSEMBLY_TOP "PJ3_RCA_2X1" at 50.051,158.156 h0.25
J8200: PIN_NUMBER "9" at 44.349,12.595 h0.25; PIN_NUMBER "8" at 57.31,12.595 h0.25; PIN_NUMBER "7" at 47.019,12.095 h0.25; PIN_NUMBER "4" at 50.829,12.095 h0.25; PIN_NUMBER "1" at 54.639,12.095 h0.25; PIN_NUMBER "2" at 53.369,13.095 h0.25; PIN_NUMBER "3" at 52.099,13.095 h0.25; PIN_NUMBER "5" at 49.559,13.095 h0.25; PIN_NUMBER "6" at 48.289,13.095 h0.25; ASSEMBLY_TOP "SATA30_7P_V_DIP" at 49.407,12.476 h0.25
J8201: PIN_NUMBER "9" at 44.349,-0.105 h0.25; PIN_NUMBER "8" at 57.31,-0.105 h0.25; PIN_NUMBER "7" at 47.019,-0.605 h0.25; PIN_NUMBER "4" at 50.829,-0.605 h0.25; PIN_NUMBER "1" at 54.639,-0.605 h0.25; PIN_NUMBER "2" at 53.369,0.395 h0.25; PIN_NUMBER "3" at 52.099,0.395 h0.25; PIN_NUMBER "5" at 49.559,0.395 h0.25; PIN_NUMBER "6" at 48.289,0.395 h0.25; ASSEMBLY_TOP "SATA30_7P_V_DIP" at 49.407,-0.224 h0.25
J8202: PIN_NUMBER "9" at 25.259,-0.105 h0.25; PIN_NUMBER "8" at 38.219,-0.105 h0.25; PIN_NUMBER "7" at 27.929,-0.605 h0.25; PIN_NUMBER "4" at 31.739,-0.605 h0.25; PIN_NUMBER "1" at 35.549,-0.605 h0.25; PIN_NUMBER "2" at 34.279,0.395 h0.25; PIN_NUMBER "3" at 33.009,0.395 h0.25; PIN_NUMBER "5" at 30.469,0.395 h0.25; PIN_NUMBER "6" at 29.199,0.395 h0.25; ASSEMBLY_TOP "SATA30_7P_V_DIP" at 30.317,-0.224 h0.25
J8203: PIN_NUMBER "9" at 6.169,-0.105 h0.25; PIN_NUMBER "8" at 19.129,-0.105 h0.25; PIN_NUMBER "7" at 8.839,-0.605 h0.25; PIN_NUMBER "4" at 12.649,-0.605 h0.25; PIN_NUMBER "1" at 16.459,-0.605 h0.25; PIN_NUMBER "2" at 15.189,0.395 h0.25; PIN_NUMBER "3" at 13.919,0.395 h0.25; PIN_NUMBER "5" at 11.379,0.395 h0.25; PIN_NUMBER "6" at 10.109,0.395 h0.25; ASSEMBLY_TOP "SATA30_7P_V_DIP" at 11.227,-0.224 h0.25
J8204: PIN_NUMBER "9" at 6.169,12.595 h0.25; PIN_NUMBER "8" at 19.129,12.595 h0.25; PIN_NUMBER "7" at 8.839,12.095 h0.25; PIN_NUMBER "4" at 12.649,12.095 h0.25; PIN_NUMBER "1" at 16.459,12.095 h0.25; PIN_NUMBER "2" at 15.189,13.095 h0.25; PIN_NUMBER "3" at 13.919,13.095 h0.25; PIN_NUMBER "5" at 11.379,13.095 h0.25; PIN_NUMBER "6" at 10.109,13.095 h0.25; ASSEMBLY_TOP "SATA30_7P_V_DIP" at 11.227,12.476 h0.25
J8300: PIN_NUMBER "8" at 114.714,12.595 h0.25; PIN_NUMBER "9" at 101.753,12.595 h0.25; PIN_NUMBER "7" at 104.423,12.095 h0.25; PIN_NUMBER "1" at 112.043,12.095 h0.25; PIN_NUMBER "4" at 108.233,12.095 h0.25; PIN_NUMBER "2" at 110.773,13.095 h0.25; PIN_NUMBER "3" at 109.503,13.095 h0.25; PIN_NUMBER "5" at 106.963,13.095 h0.25; PIN_NUMBER "6" at 105.693,13.095 h0.25; ASSEMBLY_TOP "SATA30_7P_V_DIP" at 106.811,12.476 h0.25
J8301: PIN_NUMBER "8" at 114.714,-0.105 h0.25; PIN_NUMBER "9" at 101.753,-0.105 h0.25; PIN_NUMBER "7" at 104.423,-0.605 h0.25; PIN_NUMBER "4" at 108.233,-0.605 h0.25; PIN_NUMBER "1" at 112.043,-0.605 h0.25; PIN_NUMBER "2" at 110.773,0.395 h0.25; PIN_NUMBER "3" at 109.503,0.395 h0.25; PIN_NUMBER "5" at 106.963,0.395 h0.25; PIN_NUMBER "6" at 105.693,0.395 h0.25; ASSEMBLY_TOP "SATA30_7P_V_DIP" at 106.811,-0.224 h0.25
J8302: PIN_NUMBER "1" at 92.953,-0.605 h0.25; PIN_NUMBER "9" at 82.663,-0.105 h0.25; PIN_NUMBER "8" at 95.623,-0.105 h0.25; PIN_NUMBER "7" at 85.333,-0.605 h0.25; PIN_NUMBER "4" at 89.143,-0.605 h0.25; PIN_NUMBER "2" at 91.683,0.395 h0.25; PIN_NUMBER "3" at 90.413,0.395 h0.25; PIN_NUMBER "5" at 87.873,0.395 h0.25; PIN_NUMBER "6" at 86.603,0.395 h0.25; ASSEMBLY_TOP "SATA30_7P_V_DIP" at 87.721,-0.224 h0.25
J8303: PIN_NUMBER "1" at 73.863,-0.605 h0.25; PIN_NUMBER "9" at 63.573,-0.105 h0.25; PIN_NUMBER "8" at 76.533,-0.105 h0.25; PIN_NUMBER "7" at 66.243,-0.605 h0.25; PIN_NUMBER "4" at 70.053,-0.605 h0.25; PIN_NUMBER "2" at 72.593,0.395 h0.25; PIN_NUMBER "3" at 71.323,0.395 h0.25; PIN_NUMBER "5" at 68.783,0.395 h0.25; PIN_NUMBER "6" at 67.513,0.395 h0.25; ASSEMBLY_TOP "SATA30_7P_V_DIP" at 68.631,-0.224 h0.25
J8304: PIN_NUMBER "1" at 73.863,12.095 h0.25; PIN_NUMBER "9" at 63.573,12.595 h0.25; PIN_NUMBER "8" at 76.533,12.595 h0.25; PIN_NUMBER "7" at 66.243,12.095 h0.25; PIN_NUMBER "4" at 70.053,12.095 h0.25; PIN_NUMBER "2" at 72.593,13.095 h0.25; PIN_NUMBER "3" at 71.323,13.095 h0.25; PIN_NUMBER "5" at 68.783,13.095 h0.25; PIN_NUMBER "6" at 67.513,13.095 h0.25; ASSEMBLY_TOP "SATA30_7P_V_DIP" at 68.631,12.476 h0.25
J8400: PIN_NUMBER "A1" at 3.197,118.599 h0.64 r270; PIN_NUMBER "1" at -0.149,121.599 h0.64 r270; PIN_NUMBER "A4" at 3.197,115.599 h0.64 r270; PIN_NUMBER "B4" at -4.003,115.599 h0.64 r270; PIN_NUMBER "B7" at -4.003,112.599 h0.64 r270; PIN_NUMBER "A31" at 2.943,86.6 h0.64 r270; PIN_NUMBER "B32" at -4.257,85.6 h0.64 r270; PIN_NUMBER "A18" at 2.943,99.599 h0.64 r270; PIN_NUMBER "A20" at 2.943,97.599 h0.64 r270; PIN_NUMBER "A23" at 2.943,94.6 h0.64 r270; PIN_NUMBER "A24" at 2.943,93.6 h0.64 r270; PIN_NUMBER "A27" at 2.943,90.6 h0.64 r270; PIN_NUMBER "A28" at 2.943,89.6 h0.64 r270; PIN_NUMBER "B29" at -4.257,88.6 h0.64 r270; PIN_NUMBER "B26" at -4.257,91.6 h0.64 r270; PIN_NUMBER "B25" at -4.257,92.6 h0.64 r270; PIN_NUMBER "B21" at -4.257,96.6 h0.64 r270; PIN_NUMBER "B18" at -4.257,99.599 h0.64 r270; PIN_NUMBER "B16" at -4.257,101.599 h0.64 r270; PIN_NUMBER "B13" at -4.257,104.599 h0.64 r270; PIN_NUMBER "A12" at 2.943,105.599 h0.64 r270; PIN_NUMBER "A15" at 2.943,102.599 h0.64 r270; PIN_NUMBER "B22" at -4.257,95.6 h0.64 r270; PIN_NUMBER "2" at -0.149,82.6 h0.64 r270; PIN_NUMBER "A22" at 2.943,95.6 h0.64 r270; PIN_NUMBER "A16" at 2.943,101.599 h0.64 r270; PIN_NUMBER "A21" at 2.943,96.6 h0.64 r270; PIN_NUMBER "A17" at 2.943,100.599 h0.64 r270; PIN_NUMBER "A29" at 2.943,88.6 h0.64 r270; PIN_NUMBER "A30" at 2.943,87.6 h0.64 r270; PIN_NUMBER "A25" at 2.943,92.6 h0.64 r270; PIN_NUMBER "A26" at 2.943,91.6 h0.64 r270; PIN_NUMBER "B6" at -4.003,113.599 h0.64 r270; PIN_NUMBER "B5" at -4.003,114.599 h0.64 r270; PIN_NUMBER "B30" at -4.257,87.6 h0.64 r270; PIN_NUMBER "A32" at 2.943,85.6 h0.64 r270; PIN_NUMBER "A19" at 2.943,98.599 h0.64 r270; PIN_NUMBER "B9" at -4.003,110.599 h0.64 r270; PIN_NUMBER "A8" at 3.197,111.599 h0.64 r270; PIN_NUMBER "A7" at 3.197,112.599 h0.64 r270; PIN_NUMBER "A6" at 3.197,113.599 h0.64 r270; PIN_NUMBER "A5" at 3.197,114.599 h0.64 r270; PIN_NUMBER "B15" at -4.257,102.599 h0.64 r270; PIN_NUMBER "B14" at -4.257,103.599 h0.64 r270; PIN_NUMBER "B20" at -4.257,97.599 h0.64 r270; PIN_NUMBER "B19" at -4.257,98.599 h0.64 r270; PIN_NUMBER "B2" at -4.003,117.599 h0.64 r270; PIN_NUMBER "B3" at -4.003,116.599 h0.64 r270; PIN_NUMBER "B1" at -4.003,118.599 h0.64 r270; PIN_NUMBER "A2" at 3.197,117.599 h0.64 r270; PIN_NUMBER "A3" at 3.197,116.599 h0.64 r270; PIN_NUMBER "B8" at -4.003,111.599 h0.64 r270; PIN_NUMBER "A10" at 2.943,109.599 h0.64 r270; PIN_NUMBER "A9" at 3.197,110.599 h0.64 r270; PIN_NUMBER "B10" at -4.257,109.599 h0.64 r270; PIN_NUMBER "B12" at -4.257,105.599 h0.64 r270; PIN_NUMBER "B11" at -4.257,108.599 h0.64 r270; PIN_NUMBER "A11" at 2.943,108.599 h0.64 r270; PIN_NUMBER "B17" at -4.257,100.599 h0.64 r270; PIN_NUMBER "B31" at -4.257,86.6 h0.64 r270; PIN_NUMBER "A13" at 2.943,104.599 h0.64 r270; PIN_NUMBER "A14" at 2.943,103.599 h0.64 r270; PIN_NUMBER "B23" at -4.257,94.6 h0.64 r270; PIN_NUMBER "B24" at -4.257,93.6 h0.64 r270; PIN_NUMBER "B27" at -4.257,90.6 h0.64 r270; PIN_NUMBER "B28" at -4.257,89.6 h0.64 r270; Top Overlay "PCIe-SMT-64PIN" at -3.832,86.883 h1.52 r270; ASSEMBLY_TOP "PCIe-SMT-64PIN" at -7.452,93.574 h0.25 r90
J9000: PIN_NUMBER "2" at 124.028,1.735 h0.25; PIN_NUMBER "3" at 126.568,1.735 h0.25; PIN_NUMBER "1" at 121.488,1.735 h0.25; Top Overlay "1" at 121.336,-0.805 h0.25; Top Overlay "3" at 126.543,-0.551 h0.25; ASSEMBLY_TOP "CN3M_2R54_V" at 120.472,1.608 h0.25
J9001: PIN_NUMBER "4" at 133.168,11.29 h0.25; PIN_NUMBER "3" at 133.168,8.75 h0.25; PIN_NUMBER "2" at 130.628,11.29 h0.25; PIN_NUMBER "1" at 130.628,8.75 h0.25; PIN_NUMBER "10" at 140.686,11.29 h0.25; PIN_NUMBER "6" at 135.708,11.29 h0.25; PIN_NUMBER "5" at 135.708,8.75 h0.25; PIN_NUMBER "9" at 140.788,8.75 h0.25; PIN_NUMBER "8" at 138.248,11.29 h0.25; PIN_NUMBER "7" at 138.248,8.75 h0.25; Top Overlay "9" at 140.594,6.318 h0.25; Top Overlay "10" at 140.569,12.843 h0.25; Top Overlay "2" at 130.394,12.793 h0.25; ASSEMBLY_TOP "P101-2x5SGF01" at 134.511,9.903 h0.25
J9100: PIN_NUMBER "2" at 1.248,64.752 h0.25; PIN_NUMBER "7" at 2.073,68.853 h0.25; PIN_NUMBER "9" at -3.427,68.853 h0.25; PIN_NUMBER "5" at 2.323,66.352 h0.25; PIN_NUMBER "6" at 2.073,60.652 h0.25; PIN_NUMBER "8" at -3.427,60.652 h0.25; PIN_NUMBER "4" at 2.323,65.553 h0.25; PIN_NUMBER "1" at 2.323,63.153 h0.25; PIN_NUMBER "2" at 2.323,63.952 h0.25; PIN_NUMBER "3" at 2.323,64.752 h0.25; ASSEMBLY_TOP "USB20_mini" at -1.318,64.752 h0.25 r270
J9101: PIN_NUMBER "1" at 160.643,126.585 h0.25 r270; PIN_NUMBER "3" at 160.643,121.505 h0.25 r270; PIN_NUMBER "2" at 160.643,124.045 h0.25 r270; PIN_NUMBER "4" at 160.643,118.965 h0.25 r270; Top Overlay "4" at 160.566,116.519 h0.25; ASSEMBLY_TOP "CON4M_1X4_2R54_V" at 159.246,122.775 h0.25 r90
J9102: PIN_NUMBER "1" at 160.719,114.901 h0.25 r270; PIN_NUMBER "3" at 160.719,109.821 h0.25 r270; PIN_NUMBER "2" at 160.719,112.361 h0.25 r270; PIN_NUMBER "4" at 160.719,107.281 h0.25 r270; Top Overlay "4" at 160.465,104.81 h0.25; ASSEMBLY_TOP "CON4M_1X4_2R54_V" at 159.322,111.091 h0.25 r90
J9500: PIN_NUMBER "2" at 159.017,13.773 h0.25 r270; PIN_NUMBER "3" at 159.017,11.233 h0.25 r270; PIN_NUMBER "4" at 159.017,8.693 h0.25 r270; PIN_NUMBER "1" at 159.017,16.313 h0.25 r270; Top Overlay "CN4M_2R54_V" at 160.49,9.709 h0.25 r270; ASSEMBLY_TOP "CN4M_2R54_V" at 158.801,11.233 h0.25 r90
J9501: PIN_NUMBER "1" at 158.915,30.069 h0.25 r270; PIN_NUMBER "2" at 158.915,27.529 h0.25 r270; PIN_NUMBER "3" at 158.915,24.989 h0.25 r270; Top Overlay "CN3M_2R54_V" at 160.388,23.465 h0.25 r270; ASSEMBLY_TOP "CN3M_2R54_V" at 158.705,26.259 h0.25 r90
J9800: PIN_NUMBER "1" at 142.554,131.973 h0.64 r180; PIN_NUMBER "7" at 140.154,131.973 h0.64 r180; PIN_NUMBER "13" at 137.5,131.973 h0.64 r180; PIN_NUMBER "19" at 135.1,131.973 h0.64 r180; PIN_NUMBER "25" at 132.7,131.973 h0.64 r180; PIN_NUMBER "35" at 128.7,131.973 h0.64 r180; PIN_NUMBER "41" at 126.3,131.973 h0.64 r180; PIN_NUMBER "47" at 123.9,131.973 h0.64 r180; PIN_NUMBER "53" at 121.5,131.973 h0.64 r180; PIN_NUMBER "59" at 119.1,131.973 h0.64 r180; PIN_NUMBER "62" at 146.3,127.623 h0.64 r180; PIN_NUMBER "2" at 142.554,123.273 h0.64 r180; PIN_NUMBER "8" at 140.154,123.273 h0.64 r180; PIN_NUMBER "14" at 137.5,123.273 h0.64 r180; PIN_NUMBER "20" at 135.1,123.273 h0.64 r180; PIN_NUMBER "26" at 132.7,123.273 h0.64 r180; PIN_NUMBER "36" at 128.7,123.273 h0.64 r180; PIN_NUMBER "42" at 126.3,123.273 h0.64 r180; PIN_NUMBER "48" at 123.9,123.273 h0.64 r180; PIN_NUMBER "54" at 121.5,123.273 h0.64 r180; PIN_NUMBER "61" at 115.1,127.623 h0.64 r180; PIN_NUMBER "23" at 133.5,131.973 h0.64 r180; PIN_NUMBER "17" at 135.9,131.973 h0.64 r180; PIN_NUMBER "45" at 124.7,131.973 h0.64 r180; PIN_NUMBER "57" at 119.9,131.973 h0.64 r180; PIN_NUMBER "58" at 119.9,123.273 h0.64 r180; PIN_NUMBER "56" at 120.7,123.273 h0.64 r180; PIN_NUMBER "60" at 119.1,123.273 h0.64 r180; PIN_NUMBER "52" at 122.3,123.273 h0.64 r180; PIN_NUMBER "29" at 131.1,131.973 h0.64 r180; PIN_NUMBER "11" at 138.3,131.973 h0.64 r180; PIN_NUMBER "5" at 140.954,131.973 h0.64 r180; PIN_NUMBER "3" at 141.754,131.973 h0.64 r180; PIN_NUMBER "24" at 133.5,123.273 h0.64 r180; PIN_NUMBER "30" at 131.1,123.273 h0.64 r180; PIN_NUMBER "12" at 138.3,123.273 h0.64 r180; PIN_NUMBER "6" at 140.954,123.273 h0.64 r180; PIN_NUMBER "33" at 129.5,131.973 h0.64 r180; PIN_NUMBER "40" at 127.1,123.273 h0.64 r180; PIN_NUMBER "39" at 127.1,131.973 h0.64 r180; PIN_NUMBER "46" at 124.7,123.273 h0.64 r180; PIN_NUMBER "44" at 125.5,123.273 h0.64 r180; PIN_NUMBER "37" at 127.9,131.973 h0.64 r180; PIN_NUMBER "27" at 131.9,131.973 h0.64 r180; PIN_NUMBER "9" at 139.354,131.973 h0.64 r180; PIN_NUMBER "38" at 127.9,123.273 h0.64 r180; PIN_NUMBER "49" at 123.1,131.973 h0.64 r180; PIN_NUMBER "50" at 123.1,123.273 h0.64 r180; PIN_NUMBER "43" at 125.5,131.973 h0.64 r180; PIN_NUMBER "22" at 134.3,123.273 h0.64 r180; PIN_NUMBER "28" at 131.9,123.273 h0.64 r180; PIN_NUMBER "10" at 139.1,123.273 h0.64 r180; PIN_NUMBER "4" at 141.754,123.273 h0.64 r180; PIN_NUMBER "31" at 130.3,131.973 h0.64 r180; PIN_NUMBER "18" at 135.9,123.273 h0.64 r180; PIN_NUMBER "16" at 136.7,123.273 h0.64 r180; PIN_NUMBER "55" at 120.7,131.973 h0.64 r180; PIN_NUMBER "15" at 136.7,131.973 h0.64 r180; PIN_NUMBER "21" at 134.3,131.973 h0.64 r180; PIN_NUMBER "34" at 129.5,123.273 h0.64 r180; PIN_NUMBER "51" at 122.3,131.973 h0.64 r180; PIN_NUMBER "32" at 130.3,123.273 h0.64 r180; ASSEMBLY_TOP "PowerMeterage" at 129.887,127.496 h0.25 r180; Bottom Overlay "9" at 139.908,133.623 h0.25 r180; Bottom Overlay "19" at 136.208,133.623 h0.25 r180; Bottom Overlay "29" at 132.208,133.623 h0.25 r180; Bottom Overlay "39" at 128.208,133.623 h0.25 r180; Bottom Overlay "49" at 124.308,133.623 h0.25 r180; Bottom Overlay "59" at 120.208,133.623 h0.25 r180; Bottom Overlay "2" at 143.108,121.023 h0.25 r180
J9901: PIN_NUMBER "1" at 64.143,100.581 h0.25; PIN_NUMBER "3" at 64.143,44.581 h0.25; PIN_NUMBER "4" at 120.143,44.581 h0.25; PIN_NUMBER "2" at 120.143,100.581 h0.25; ASSEMBLY_TOP "Radiator_Fan_65x65" at 91.787,72.454 h0.25
L2000: PIN_NUMBER "1" at 7.764,55.765 h0.64 r90; PIN_NUMBER "2" at 7.764,61.965 h0.64 r90; ASSEMBLY_TOP "1.5uH" at 6.748,58.547 h0.64
L2001: PIN_NUMBER "1" at 133.111,122.263 h0.25; PIN_NUMBER "2" at 136.111,122.263 h0.25; ASSEMBLY_TOP "2.2uH" at 134.205,122.136 h0.25
L2002: PIN_NUMBER "2" at 33.418,39.896 h0.25 r270; PIN_NUMBER "1" at 33.418,43.696 h0.25 r270; ASSEMBLY_TOP "6.8uH" at 33.011,41.669 h0.25